# Altium PCB CATS-GS.PcbDoc (part 2 of 3)
Units mil, origin at the board's own origin, x right, y up, seen from the top; angles counter-clockwise.
Board outline 3543.31 x 3070.87 mil, 4 copper layers (Top Layer, Mid Layer 1, Mid Layer 2, Bottom Layer), stack 61.811 mil thick; 140 components, 103 nets, 565 pads, 394 vias.
Unrouted connection lines stored in the file: 23.
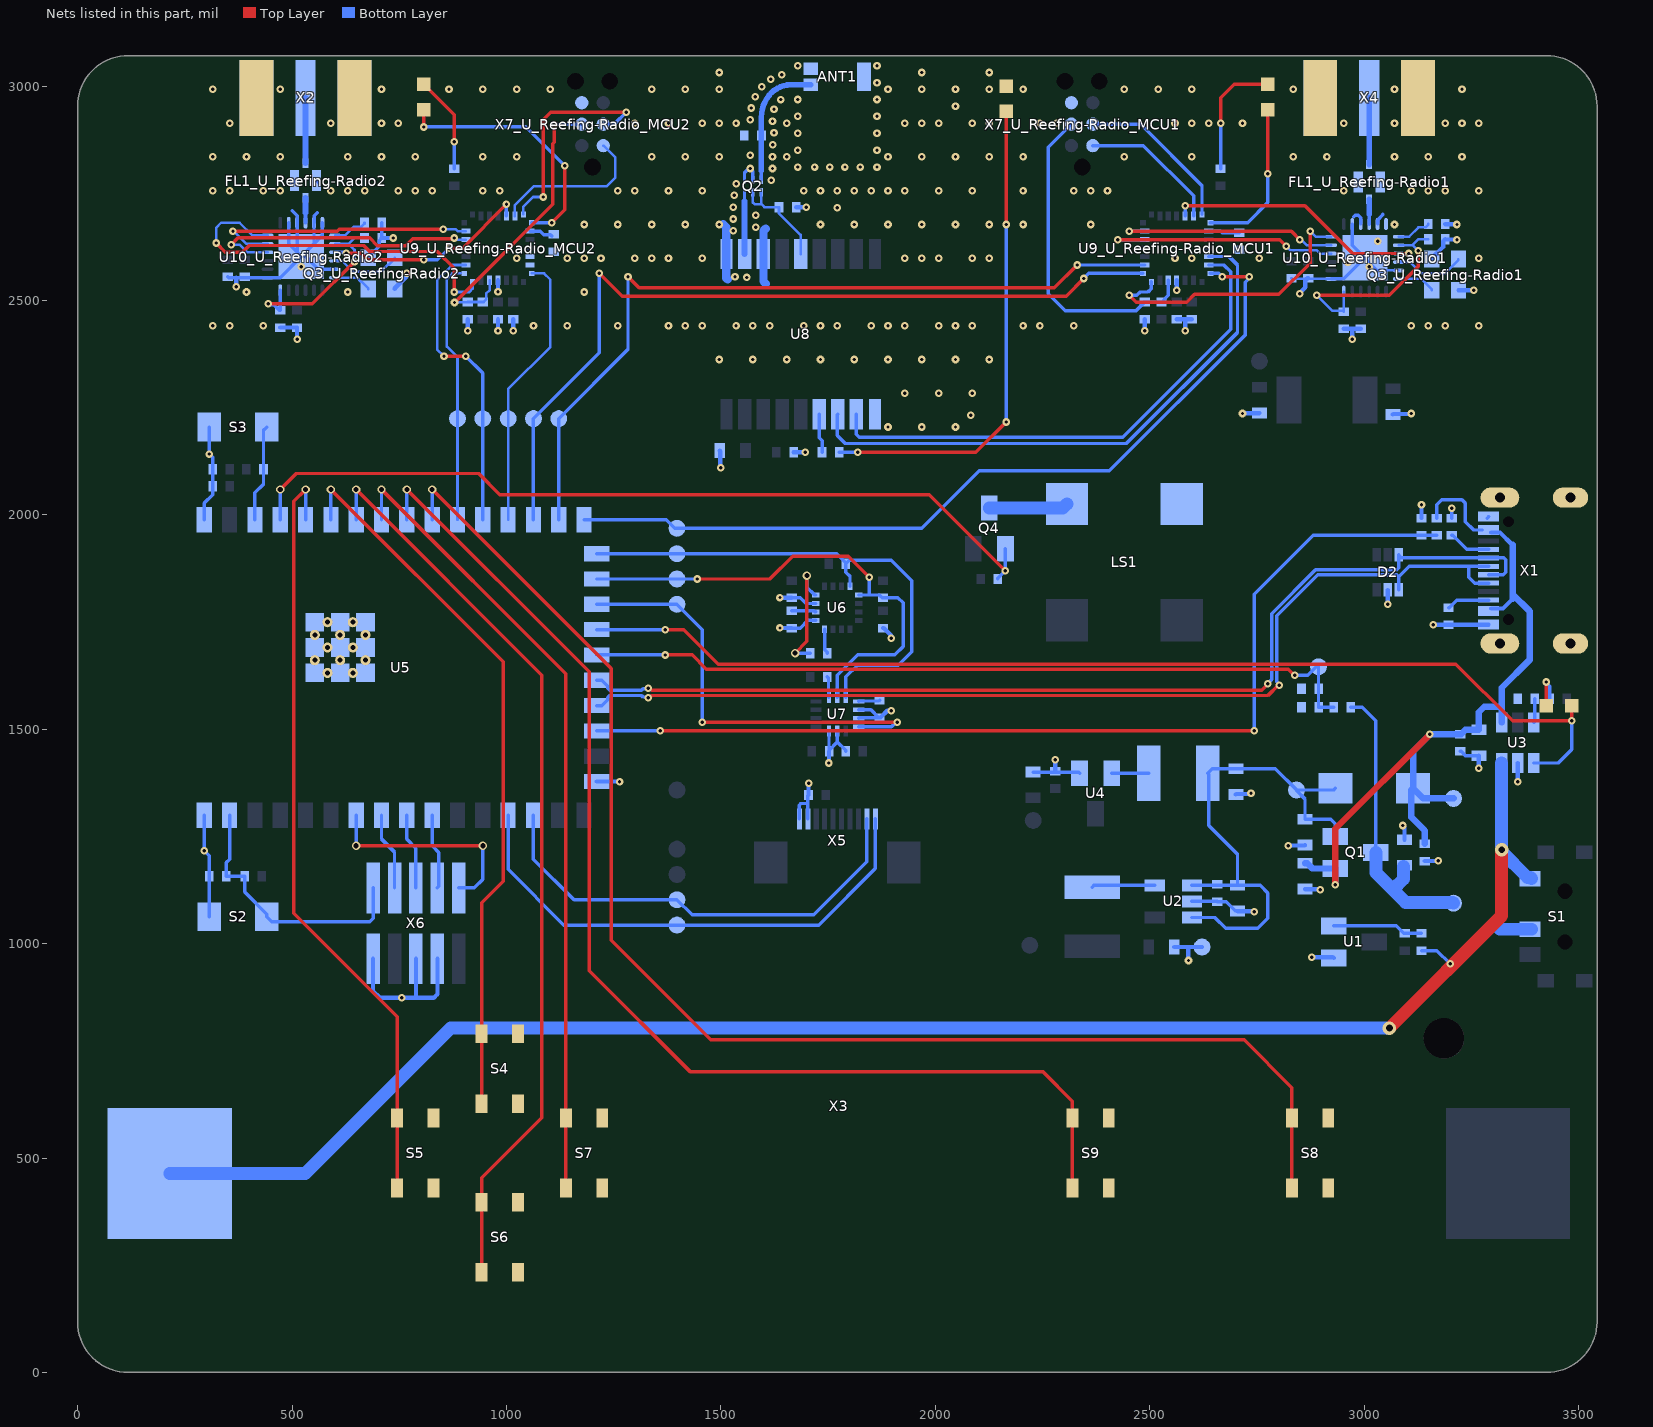
[diagram p4: the nets of this part, all layers, seen from the top]

## Via types
v1: diameter 17.72, hole 7.87, Top Layer to Bottom Layer, tented both sides, 377 vias
v2: diameter 19.68, hole 11.81, Top Layer to Bottom Layer, tented both sides, 15 vias
v3: diameter 31.5, hole 15.75, Top Layer to Bottom Layer, tented both sides, 2 vias

## Nets (pads, with @x,y where several pads share a name; then routed paths per layer and width w, separated by ;. In a path a pad name is that pad's centre, name@x,y a point inside that pad or via, vN(x,y) a via of type N, cw(c..) or ccw(c..) an arc to the next point about the centre after c; other vN are vias at no path point) (continued)
GND: ANT1.2 ANT1.3 C2.1 C3.1 C4.1 C5.1 C6.1 C7.1 C8.1 C9.1 C10.1 C11.1 C12.1 C13.1 C14.1 C15.1 C16.1 C17.1 C18.1 C19.1 C20.1 C22.1 C23.1 C24.1 C25.1 C26.1 C27.1 C28.1 C29_U_Reefing-Radio_MCU1.1 C29_U_Reefing-Radio_MCU2.1 C30_U_Reefing-Radio_MCU1.1 C30_U_Reefing-Radio_MCU2.1 C31_U_Reefing-Radio_MCU1.1 C31_U_Reefing-Radio_MCU2.1 C32_U_Reefing-Radio1.1 C32_U_Reefing-Radio2.1 C33_U_Reefing-Radio1.1 C33_U_Reefing-Radio2.1 C34_U_Reefing-Radio1.1 C34_U_Reefing-Radio2.1 C35_U_Reefing-Radio1.1 C35_U_Reefing-Radio2.1 C36_U_Reefing-Radio1.1 C36_U_Reefing-Radio2.1 C37_U_Reefing-Radio1.1 C37_U_Reefing-Radio2.1 C38.1 D2.2 FL1_U_Reefing-Radio1.2 FL1_U_Reefing-Radio1.4 FL1_U_Reefing-Radio2.2 FL1_U_Reefing-Radio2.4 LS1.2 P2.K Q2.1 Q2.2 Q3_U_Reefing-Radio1.3 Q3_U_Reefing-Radio2.3 R2.1 R3.1 R4.2 R7.1 R8.1 R10.1 R15.1 R20_U_Reefing-Radio_MCU1.1 R20_U_Reefing-Radio_MCU2.1 S2.2 S3.2 S4.2 S5.2 S6.2 S7.2 S8.2 S9.2 TP5.1 U1.1 U2.2 U3.2 U4.1 U5.1 U5.26 U5.42 U5.43 U6.9 U6.11 U7.2 U7.3 U7.6 U7.7 U8.1 U8.10 U8.12 U9_U_Reefing-Radio_MCU1.4 U9_U_Reefing-Radio_MCU2.4 U10_U_Reefing-Radio1.0 U10_U_Reefing-Radio1.5 U10_U_Reefing-Radio1.13 U10_U_Reefing-Radio1.20 U10_U_Reefing-Radio1.21 U10_U_Reefing-Radio1.23 U10_U_Reefing-Radio1.24 U10_U_Reefing-Radio2.0 U10_U_Reefing-Radio2.5 U10_U_Reefing-Radio2.13 U10_U_Reefing-Radio2.20 U10_U_Reefing-Radio2.21 U10_U_Reefing-Radio2.23 U10_U_Reefing-Radio2.24 X1.A1B12 X1.B1A12 X1.G1 X1.G2 X1.G3 X1.G4 X2.2 X4.2 X5.9 X5.10 X6.3 X6.5 X6.9 X7_U_Reefing-Radio_MCU1.5 X7_U_Reefing-Radio_MCU2.5 | length 4896.4
  Bottom Layer w6: C36_U_Reefing-Radio1.1@2830.71,2551.85 2832.24,2550.32 2866.55,2550.32 2923.1,2550.32 U10_U_Reefing-Radio1.13@2923.23,2550.2 ; U10_U_Reefing-Radio1.0@3001.97,2599.41 3031.5,2569.88 U10_U_Reefing-Radio1.5@3080.71,2569.88
  Bottom Layer w7.87: Q2.1@1555.12,2781.5 1555.12,2797.7 1567.98,2810.56 1568.52,2810.56 1568.52,2807.89 1574.8,2801.61 Q2.2@1574.8,2781.5
  Bottom Layer w8: U5.42@295.28,1299.21 v1(295.28,1216.54) 307.09,1204.72 S2.2@307.09,1062.99 ; U5.1@295.28,1988.19 295.28,2027.56 314.96,2047.24 314.96,2133.86 v1(307.09,2141.73) S3.2@307.09,2204.72 ; C36_U_Reefing-Radio2.1@350.39,2554.8 351.92,2553.28 370.08,2553.28 442.79,2553.28 U10_U_Reefing-Radio2.13@442.91,2553.15 472.44,2553.15 U10_U_Reefing-Radio2.0@521.65,2602.36 ; U10_U_Reefing-Radio2.20@492.13,2681.1 492.13,2631.89 U10_U_Reefing-Radio2.0@511.81,2612.2 ; FL1_U_Reefing-Radio2.4@498.08,2771.7 FL1_U_Reefing-Radio2.4@505.91,2779.53 ; 500,2708.66 511.68,2696.98 511.68,2681.23 U10_U_Reefing-Radio2.21@511.81,2681.1 U10_U_Reefing-Radio2.0@511.81,2612.2 ; FL1_U_Reefing-Radio2.2@557.09,2779.53 FL1_U_Reefing-Radio2.2@562.99,2773.62 ; 559.06,2704.72 551.31,2696.98 551.31,2681.23 U10_U_Reefing-Radio2.23@551.18,2681.1 U10_U_Reefing-Radio2.0@551.18,2631.89 ; U10_U_Reefing-Radio2.24@570.87,2681.1 570.87,2651.57 U10_U_Reefing-Radio2.0@551.18,2631.89 ; U10_U_Reefing-Radio2.5@600.39,2572.83 561.02,2572.83 531.5,2602.36 U10_U_Reefing-Radio2.0@521.65,2602.36 ; Q3_U_Reefing-Radio2.3@677.66,2599.41 677.66,2601.38 702.91,2626.63 702.91,2639.61 C33_U_Reefing-Radio2.1@708.98,2645.67 C35_U_Reefing-Radio2.1@708.98,2681.1 ; C22.1@1665.35,1735.91 1684.72,1735.91 1702.76,1753.94 U6.9@1721.46,1753.94 ; C19.1@1665.35,1806.77 1665.67,1807.09 1685.04,1807.09 1698.82,1793.31 U6.11@1721.46,1793.31 ; X5.10@1683.07,1290.85 1683.07,1323.26 1686.59,1326.77 1702.76,1326.77 ; X5.9@1702.76,1290.85 1702.76,1326.77 ; C25.1@1704.41,1346.46 1702.76,1344.8 1702.76,1326.77 ; U7.7@1751.97,1495.91 1752.13,1495.75 1752.13,1448.98 C24.1@1752.28,1448.82 1752.28,1450.82 1771.65,1470.19 ; U7.6@1771.65,1495.91 1771.65,1470.19 ; C23.1@1791.02,1448.82 1791.02,1450.82 1771.65,1470.19 ; U7.3@1821.36,1525.59 1822.19,1526.42 1869.25,1526.42 R15.1@1870.08,1527.24 1868.08,1527.24 1850.05,1545.28 U7.2@1821.36,1545.28 ; C15.1@2228.35,1400.08 2334.17,1400.08 U4.1@2336.61,1397.64 ; U2.2@2598.43,1098.43 2657.17,1098.43 C6.1@2657.48,1098.11 2678.48,1098.11 2690.22,1086.37 2690.22,1085.8 2699.72,1076.3 C7.1@2704.72,1076.3 ; U10_U_Reefing-Radio1.13@2923.23,2550.2 2952.76,2550.2 U10_U_Reefing-Radio1.0@3001.97,2599.41 2972.44,2628.94 U10_U_Reefing-Radio1.20@2972.44,2678.15 ; 2975.69,2695.45 2979.33,2699.08 2985.96,2699.08 2992,2693.04 2992,2678.28 U10_U_Reefing-Radio1.21@2992.13,2678.15 ; U10_U_Reefing-Radio1.23@3031.5,2678.15 3031.5,2687.6 3043.31,2699.41 3043.31,2700.79 ; R3.1@3204.72,1992.44 v1(3204.72,2015.75) ; C12.1@3224.41,1448.5 3226.41,1448.5 3236.41,1438.5 C11.1@3267.72,1438.5 ; X1.A1B12@3286.73,1992.44 X1.A1B12@3290.35,1996.06 ; U10_U_Reefing-Radio2.0@511.81,2612.2 U10_U_Reefing-Radio2.0@521.65,2602.36 ; U10_U_Reefing-Radio2.0@521.65,2602.36 U10_U_Reefing-Radio2.0@551.18,2631.89
  Bottom Layer w10: v1(370.08,2531.5) 370.08,2553.28 ; C34_U_Reefing-Radio2.1@472.44,2436.69 C32_U_Reefing-Radio2.1@511.81,2436.69 v1(511.81,2409.45) ; X6.9@688.98,964.57 688.98,889.76 704.72,874.02 v1(755.91,874.02) 787.4,874.02 ; C33_U_Reefing-Radio2.1@708.98,2645.67 v1(736.22,2645.67) ; Q3_U_Reefing-Radio2.3@739.67,2526.57 739.67,2528.54 766.24,2555.12 766.24,2561.52 v1(767.72,2562.99) ; X6.5@788.98,964.57 788.98,875.59 787.4,874.02 ; X6.3@838.98,964.57 838.98,882.28 830.71,874.02 787.4,874.02 ; v1(909.45,2429.13) C31_U_Reefing-Radio_MCU2.1@909.45,2456.38 ; v1(980.31,2429.13) C29_U_Reefing-Radio_MCU2.1@980.31,2456.38 ; v1(980.31,2520.24) U9_U_Reefing-Radio_MCU2.4@980.31,2547.24 ; v1(1015.75,2429.13) C30_U_Reefing-Radio_MCU2.1@1015.75,2456.38 ; U5.26@1210.63,1377.95 v1(1263.78,1377.95) ; C26.1@1497.56,2149.61 1498.78,2148.39 1498.78,2111.46 v1(1500,2110.24) ; v1(1637.8,1736.22) 1637.95,1736.06 1665.2,1736.06 C22.1@1665.35,1735.91 ; v1(1637.8,1807.09) 1637.95,1806.93 1665.2,1806.93 C19.1@1665.35,1806.77 ; C27.1@1669.61,2145.67 v1(1696.85,2145.67) ; C28.1@1675.51,2717.52 v1(1698.82,2717.52) ; C25.1@1704.41,1346.46 1704.41,1373.7 v1(1704.72,1374.02) ; v1(1751.97,1421.26) 1752.13,1421.42 1752.13,1448.66 C24.1@1752.28,1448.82 ; R15.1@1870.08,1527.24 1872.08,1527.24 1888.14,1543.31 v1(1897.64,1543.31) ; C20.1@1877.95,1735.91 1879.95,1735.91 1897.64,1718.22 v1(1897.64,1712.6) ; C14.1@2279.53,1401.89 v1(2279.53,1429.13) ; v1(2488.19,2429.13) C31_U_Reefing-Radio_MCU1.1@2488.19,2456.38 ; C8.1@2557.56,992.13 2589.8,992.13 ; C29_U_Reefing-Radio_MCU1.1@2562.99,2456.38 2580.71,2456.38 ; v1(2562.99,2523.62) U9_U_Reefing-Radio_MCU1.4@2562.99,2547.24 ; v1(2582.68,2429.13) 2582.68,2454.41 2580.71,2456.38 ; v1(2590.55,960.63) 2589.8,961.38 2589.8,992.13 ; C30_U_Reefing-Radio_MCU1.1@2598.43,2456.38 2580.71,2456.38 ; TP5.1@2622.05,992.13 2589.8,992.13 ; C13.1@2700.79,1347.95 2702.01,1349.17 2735,1349.17 v1(2736.22,1350.39) ; C7.1@2704.72,1076.3 2705.47,1075.55 2743.35,1075.55 v1(2744.09,1074.8) ; v1(2716.54,2236.22) 2717.28,2236.97 2755.16,2236.97 C10.1@2755.91,2237.72 ; v1(2822.83,1228.35) 2823.58,1229.09 2861.46,1229.09 C4.1@2862.2,1229.84 ; v1(2850.39,2515.75) 2850.39,2517.84 2863.08,2530.52 2863.08,2546.85 2866.55,2550.32 2868.08,2551.85 C37_U_Reefing-Radio1.1@2870.08,2551.85 ; C2.1@2862.2,1127.48 2862.95,1126.73 2896.89,1126.73 v1(2897.64,1125.98) ; v1(2877.95,968.5) 2927.17,968.5 U1.1@2929.13,966.54 ; C34_U_Reefing-Radio1.1@2952.76,2433.74 2972.44,2433.74 ; v1(2972.44,2409.45) 2972.44,2433.74 ; C32_U_Reefing-Radio1.1@2992.13,2433.74 2972.44,2433.74 ; v1(3055.12,1791.34) D2.2@3055.11,1824.8 ; C9.1@3066.93,2233.78 3068.15,2235 3109.02,2235 v1(3110.24,2236.22) ; v1(3090.55,1275.59) 3094.49,1271.65 C3.1@3094.49,1242.6 ; R4.2@3133.86,1992.44 v1(3133.86,2023.62) ; R8.1@3141.73,1192.6 3141.89,1192.76 3173.07,1192.76 v1(3173.23,1192.91) ; Q3_U_Reefing-Radio1.3@3157.97,2596.46 3157.97,2598.43 3184.29,2624.74 3184.29,2637.72 C33_U_Reefing-Radio1.1@3189.29,2642.72 3189.78,2642.22 3216.04,2642.22 v1(3216.54,2641.73) ; v1(3161.42,1744.09) 3161.57,1743.94 3196.69,1743.94 R2.1@3196.85,1743.78 3197.01,1743.94 3290.2,1743.94 X1.B1A12@3290.35,1744.09 ; C35_U_Reefing-Radio1.1@3189.29,2678.15 3189.78,2677.66 3216.04,2677.66 v1(3216.54,2677.17) ; Q3_U_Reefing-Radio1.3@3219.98,2523.62 v1(3255.91,2523.62) ; v1(3267.72,1409.45) C11.1@3267.72,1438.5 ; v1(3358.27,1377.95) U3.2@3358.27,1421.26
  Bottom Layer w19.68: 1505.91,2677.17 1512.8,2670.28 U8.10@1512.8,2608.27 1512.8,2552.17 1515.75,2549.21 ; 1604.33,2539.37 1599.41,2544.29 U8.12@1599.41,2608.27 1599.41,2662.4 1604.33,2667.32
  other v1: 1889.77,2204.73 1968.51,2204.73 2047.25,2204.73 2082.68,2232.28 1929.14,2283.47 2007.88,2283.47 2086.62,2283.47 1496.06,2362.21 1574.8,2362.21 1653.54,2362.21 1732.29,2362.21 1811.03,2362.21 1889.77,2362.21 1968.51,2362.21 2047.25,2362.21 2125.99,2362.21 314.96,2440.94 354.33,2440.95 433.07,2440.95 1062.99,2440.95 1141.73,2440.95 1259.84,2440.94 1377.95,2440.95 1417.32,2440.94 1456.69,2440.95 1535.43,2440.95 1574.8,2440.94 1614.17,2440.95 1692.92,2440.95 1732.28,2440.94 1771.66,2440.95 1850.4,2440.95 1889.76,2440.94 1929.14,2440.95 2007.88,2440.95 2047.24,2440.94 2086.62,2440.95 2204.72,2440.94 2244.1,2440.95 2322.84,2440.95 3110.24,2440.95 3149.61,2440.94 3188.98,2440.95 3267.72,2440.95 393.7,2519.69 629.92,2519.69 1181.1,2519.69 1560.65,2553.61 1532.98,2555.08 521.65,2578.74 3011.81,2578.74 2962.6,2588.58 1023.62,2598.42 1141.73,2598.43 1181.1,2598.42 1220.47,2598.43 1299.21,2598.43 1338.58,2598.42 1377.95,2598.43 1456.69,2598.43 1929.14,2598.43 1968.5,2598.42 2007.88,2598.43 2086.62,2598.43 2125.98,2598.42 2559.06,2598.43 2598.42,2598.42 2755.91,2598.42 3267.72,2598.43 3031.5,2637.8 1529.15,2662.1 1581.09,2670.56 1181.1,2677.17 1259.84,2677.17 1338.58,2677.17 1417.32,2677.17 1496.06,2677.17 1732.29,2677.17 1811.03,2677.17 1889.77,2677.17 1968.51,2677.17 2047.25,2677.17 2125.99,2677.17 2204.73,2677.17 2362.21,2677.17 3070.87,2677.17 1529.15,2689.82 1581.09,2698.28 1771.65,2716.54 1529.15,2717.54 1531.56,2745.15 314.96,2755.91 354.33,2755.91 433.07,2755.91 472.44,2755.91 590.55,2755.91 629.92,2755.91 669.29,2755.91 748.03,2755.91 787.4,2755.91 826.77,2755.91 944.88,2755.91 984.25,2755.91 1259.84,2755.91 1299.21,2755.91 1377.95,2755.91 1456.69,2755.91 1692.92,2755.91 1732.28,2755.91 1771.66,2755.91 1811.02,2755.91 1850.4,2755.91 1889.76,2755.91 1929.14,2755.91 2007.88,2755.91 2086.62,2755.91 2204.72,2755.91 2322.84,2755.91 2362.2,2755.91 2401.58,2755.91 2952.76,2755.91 3110.24,2755.91 3149.61,2755.91 3188.98,2755.91 3267.72,2755.91 1536.27,2772.46 1617.78,2780.15 1568.52,2807.74 1620.46,2807.74 1679.13,2811.02 1718.5,2811.02 1753.94,2811.02 1789.37,2811.02 1824.8,2811.02 1864.17,2811.02 314.96,2834.65 393.7,2834.65 472.44,2834.65 629.92,2834.65 708.66,2834.65 787.4,2834.65 944.88,2834.65 1023.62,2834.65 1338.58,2834.65 1417.32,2834.65 1496.06,2834.65 1653.54,2834.65 1889.77,2834.65 1968.51,2834.65 2047.25,2834.65 2125.99,2834.65 2204.73,2834.65 2440.95,2834.65 2598.43,2834.65 2834.65,2834.65 2913.39,2834.65 3070.87,2834.65 3149.61,2834.65 3228.35,2834.65 1620.46,2835.45 1568.52,2838.27 1679.13,2850.39 1864.17,2850.39 1621.02,2863.17 1679.13,2889.76 1864.17,2889.76 1624.03,2890.72 354.33,2913.39 590.55,2913.39 708.66,2913.39 748.03,2913.39 1299.21,2913.39 1377.95,2913.39 1456.69,2913.39 1496.06,2913.39 1535.43,2913.39 1653.54,2913.39 1929.14,2913.39 1968.5,2913.39 2007.88,2913.39 2086.62,2913.39 2125.98,2913.39 2244.1,2913.39 2283.46,2913.39 2559.06,2913.39 2598.42,2913.39 2637.8,2913.39 2716.54,2913.39 2952.76,2913.39 3070.87,2913.39 3188.98,2913.39 3228.35,2913.39 3267.72,2913.39 1620.46,2918.2 1568.52,2921.19 1679.13,2929.13 1864.17,2929.13 1623.99,2945.69 1570.63,2948.82 2047.24,2952.76 1639.85,2968.42 1679.13,2968.5 1864.17,2968.5 1579.9,2974.94 314.96,2992.13 472.44,2992.13 708.66,2992.13 866.14,2992.13 944.88,2992.13 1023.62,2992.13 1102.36,2992.13 1338.58,2992.13 1417.32,2992.13 1496.06,2992.13 1889.77,2992.13 1968.51,2992.13 2047.25,2992.13 2125.99,2992.13 2204.73,2992.13 2440.95,2992.13 2519.69,2992.13 2598.43,2992.13 2834.65,2992.13 3070.87,2992.13 3228.35,2992.13 1595.4,2997.92 1864.17,3007.87 1616.55,3015.84 1642.16,3026.43 1496.06,3031.5 1968.5,3031.5 2125.98,3031.5 1679.13,3047.24 1864.17,3047.24
JTAG_NRST: C18.2 R19.1 S2.1 U5.41 X6.10 | length 630.4
  Bottom Layer w8: U5.41@354.33,1299.21 354.33,1196.85 346.77,1189.29 C18.2@346.77,1157.48 R19.1@389.45,1157.48 389.45,1120.39 440.94,1068.89 S2.1@440.94,1062.99 452.75,1051.18 681.1,1051.18 688.98,1059.06 X6.10@688.98,1129.92
JTAG_TCLK: U5.33 X6.4 | length 177.3
  Bottom Layer w8: U5.33@826.77,1299.21 826.77,1228.35 842.52,1212.6 842.52,1133.46 X6.4@838.98,1129.92
JTAG_TDI: U5.35 X6.8 | length 181.8
  Bottom Layer w8: U5.35@708.66,1299.21 708.66,1244.09 738.98,1213.78 X6.8@738.98,1129.92
JTAG_TDO: U5.34 X6.6 | length 178.1
  Bottom Layer w8: U5.34@767.72,1299.21 767.72,1244.09 788.98,1222.83 X6.6@788.98,1129.92
JTAG_TMS: U5.36 X6.2 | length 508.9
  Top Layer w8: v2(649.61,1228.35) v2(944.88,1228.35)
  Bottom Layer w8: v2(649.61,1228.35) U5.36@649.61,1299.21 ; X6.2@888.98,1129.92 925.2,1129.92 944.88,1149.61 v2(944.88,1228.35)
LED_U_Reefing-Radio_MCU1: P3_U_Reefing-Radio_MCU1.K U9_U_Reefing-Radio_MCU1.22 | length 370
  Top Layer w8: v1(2775.59,2795.28) P3_U_Reefing-Radio_MCU1.K@2775.59,2944.88
  Bottom Layer w8: U9_U_Reefing-Radio_MCU1.22@2641.73,2681.1 2728.35,2681.1 2775.59,2728.35 v1(2775.59,2795.28)
LED_U_Reefing-Radio_MCU2: P3_U_Reefing-Radio_MCU2.K U9_U_Reefing-Radio_MCU2.22 | length 598.4
  Top Layer w8: v1(807.09,2904.53) P3_U_Reefing-Radio_MCU2.K@807.09,2944.88 ; v1(1105.31,2681.1) 1135.83,2711.61 v1(1135.83,2813.98)
  Bottom Layer w8: v1(807.09,2904.53) 1045.28,2904.53 v1(1135.83,2813.98) ; U9_U_Reefing-Radio_MCU2.22@1059.06,2681.1 v1(1105.31,2681.1)
MISO1_U_Reefing-Radio_MCU1: U9_U_Reefing-Radio_MCU1.12 U10_U_Reefing-Radio1.16 | length 574.5
  Top Layer w8: v1(2425.2,2641.73) 2803.15,2641.73 v1(2818.9,2625.98)
  Bottom Layer w6: v1(2818.9,2625.98) 2827.94,2616.94 2889.76,2616.94 2897.45,2609.25 U10_U_Reefing-Radio1.16@2923.23,2609.25
  Bottom Layer w8: v1(2425.2,2641.73) U9_U_Reefing-Radio_MCU1.12@2488.19,2641.73
MISO1_U_Reefing-Radio_MCU2: U9_U_Reefing-Radio_MCU2.12 U10_U_Reefing-Radio2.16 | length 662.2
  Top Layer w8: v1(358.27,2629.92) 374.02,2645.67 681.1,2645.67 698.96,2627.81 765.61,2627.81 781.64,2643.84 876.13,2643.84 v1(877.95,2645.67)
  Bottom Layer w6: v1(358.27,2629.92) 377.95,2629.92 395.67,2612.2 U10_U_Reefing-Radio2.16@442.91,2612.2 ; v1(877.95,2645.67) 881.12,2645.67 885.06,2641.73 U9_U_Reefing-Radio_MCU2.12@905.51,2641.73
MOSI: TP21.1 U5.29 X5.2 | length 1085
  Bottom Layer w8: U5.29@1062.99,1299.21 1062.99,1196.85 1157.48,1102.36 TP21.1@1397.64,1102.36 1433.07,1066.93 1716.54,1066.93 1840.55,1190.95 X5.2@1840.55,1290.85
MOSI1_U_Reefing-Radio_MCU1: U9_U_Reefing-Radio_MCU1.13 U10_U_Reefing-Radio1.17 | length 519.4
  Top Layer w8: v1(2452.76,2661.42) 2830.71,2661.42 v1(2850.39,2641.73)
  Bottom Layer w6: v1(2850.39,2641.73) 2853.02,2641.73 2865.82,2628.94 U10_U_Reefing-Radio1.17@2923.23,2628.94
  Bottom Layer w8: v1(2452.76,2661.42) U9_U_Reefing-Radio_MCU1.13@2488.19,2661.42
MOSI1_U_Reefing-Radio_MCU2: U9_U_Reefing-Radio_MCU2.13 U10_U_Reefing-Radio2.17 | length 640.3
  Top Layer w8: v1(362.2,2661.42) 605.07,2661.42 609.94,2666.28 v1(852.81,2666.28)
  Bottom Layer w6: v1(362.2,2661.42) 363.97,2661.42 392.99,2632.4 442.4,2632.4 U10_U_Reefing-Radio2.17@442.91,2631.89 ; v1(852.81,2666.28) 881.18,2666.28 886.05,2661.42 U9_U_Reefing-Radio_MCU2.13@905.51,2661.42
NetANT1_1: ANT1.1 C38.2 Q2.3 | length 305.6
  Bottom Layer w8: Q2.3@1594.49,2781.5 1594.49,2802.17
  Bottom Layer w13.23: 1594.49,2802.17 1594.49,2927.22 cw(c1675.14,2927.22) 1618.11,2984.25 cw(c1663.26,2939.1) 1663.26,3002.95 ANT1.1@1709.65,3002.95
NetC1_2: C1.2 R6.1 U1.2 | length 211.9
  Bottom Layer w8: U1.2@2929.13,1041.34 3075.09,1041.34 3092.49,1023.94 C1.2@3094.49,1023.94 R6.1@3133.86,1023.94
NetC5_2: C5.2 R5.1 R7.2 TP3.1 U5.21 | length 1840.2
  Top Layer w8: v1(1370.08,1673.23) 1433.07,1673.23 1466.39,1639.91 2823.01,1639.91 2836.93,1625.98 v1(2838.58,1625.98)
  Bottom Layer w8: U5.21@1210.63,1673.23 v1(1370.08,1673.23) ; v1(2838.58,1625.98) 2868.34,1625.98 2888.02,1645.67 TP3.1@2893.7,1645.67 2893.7,1594.49 2893.7,1551.5 C5.2@2894.02,1551.18 R5.1@2928.82,1551.18
NetC21_1: C21.1 U6.12 | length 283.2
  Top Layer w8: v2(1673.23,1677.45) 1673.51,1677.45 1700.79,1704.72 v2(1700.79,1858.27)
  Bottom Layer w8: v2(1673.23,1677.45) 1708.06,1677.45 C21.1@1708.35,1677.17 ; v2(1700.79,1858.27) 1700.79,1830.71 1718.5,1812.99 U6.12@1721.46,1812.99
NetC21_2: C21.2 U6.8 | length 58.7
  Bottom Layer w8: U6.8@1742.13,1733.27 1742.13,1685.39 1748.35,1679.17 C21.2@1748.35,1677.17
NetC22_2: C22.2 U6.10 | length 57
  Bottom Layer w8: C22.2@1665.35,1775.91 1716.22,1775.91 1718.5,1773.62 U6.10@1721.46,1773.62
NetC28_2: C28.2 Q2.4 Q2.5 U8.14 | length 246.5
  Bottom Layer w6: Q2.5@1574.8,2751.97 1574.8,2728.35 1578.74,2724.41 1594.49,2724.41 ; Q2.4@1594.49,2751.97 1594.49,2724.41 ; U8.14@1686.02,2608.27 1686.02,2652.56 1635.51,2703.07 C28.2@1635.51,2717.52 1601.38,2717.52 1594.49,2724.41
NetC31_U_Reefing-Radio_MCU1_2: C31_U_Reefing-Radio_MCU1.2 R18_U_Reefing-Radio_MCU1.1 U9_U_Reefing-Radio_MCU1.5 X7_U_Reefing-Radio_MCU1.3 | length 764.5
  Bottom Layer w8: X7_U_Reefing-Radio_MCU1.3@2317.52,2911.02 2263.78,2857.28 2263.78,2515.75 2303.15,2476.38 2468.19,2476.38 C31_U_Reefing-Radio_MCU1.2@2488.19,2496.38 R18_U_Reefing-Radio_MCU1.1@2527.56,2496.38 2529.56,2496.38 2535.56,2502.38 2535.56,2504.38 2543.31,2512.13 U9_U_Reefing-Radio_MCU1.5@2543.31,2547.24
NetC31_U_Reefing-Radio_MCU2_2: C31_U_Reefing-Radio_MCU2.2 R18_U_Reefing-Radio_MCU2.1 U9_U_Reefing-Radio_MCU2.5 X7_U_Reefing-Radio_MCU2.3 | length 700.8
  Top Layer w8: v1(878.94,2495.08) 1108.13,2724.27 1108.13,2865.66 1111.22,2868.76 v1(1111.22,2909.45)
  Bottom Layer w6: v1(878.94,2495.08) 879.59,2495.73 908.8,2495.73 C31_U_Reefing-Radio_MCU2.2@909.45,2496.38 R18_U_Reefing-Radio_MCU2.1@944.88,2496.38 946.76,2496.38 952.76,2502.38 952.76,2515.75 960.63,2523.62 U9_U_Reefing-Radio_MCU2.5@960.63,2547.24
  Bottom Layer w8: v1(1111.22,2909.45) 1112.01,2910.24 1175,2910.24 X7_U_Reefing-Radio_MCU2.3@1175.79,2911.02
NetC33_U_Reefing-Radio1_2: C33_U_Reefing-Radio1.2 C34_U_Reefing-Radio1.2 U10_U_Reefing-Radio1.2 U10_U_Reefing-Radio1.12 | length 519.8
  Top Layer w8: v1(2889.76,2511.81) 3059.06,2511.81 3126.4,2579.15 v1(3126.4,2615.73)
  Bottom Layer w6: v1(2889.76,2511.81) 2926.13,2475.45 2951.05,2475.45 C34_U_Reefing-Radio1.2@2952.76,2473.74 U10_U_Reefing-Radio1.12@2952.76,2520.67 ; U10_U_Reefing-Radio1.2@3080.71,2628.94 3113.19,2628.94 ; v1(3126.4,2615.73) 3113.19,2628.94 ; C33_U_Reefing-Radio1.2@3149.29,2642.72 3126.97,2642.72 3113.19,2628.94
NetC33_U_Reefing-Radio2_2: C33_U_Reefing-Radio2.2 C34_U_Reefing-Radio2.2 U10_U_Reefing-Radio2.2 U10_U_Reefing-Radio2.12 | length 443.8
  Top Layer w8: v1(444.88,2492.13) 547.24,2492.13 v1(645.67,2590.55)
  Bottom Layer w6: U10_U_Reefing-Radio2.2@600.39,2631.89 631.89,2631.89 ; v1(645.67,2590.55) 645.67,2618.11 631.89,2631.89 ; C33_U_Reefing-Radio2.2@668.98,2645.67 645.67,2645.67 631.89,2631.89
  Bottom Layer w8: v1(444.88,2492.13) 446.74,2490.27 456.87,2490.27 470.44,2476.69 C34_U_Reefing-Radio2.2@472.44,2476.69 U10_U_Reefing-Radio2.12@472.44,2523.62
NetC35_U_Reefing-Radio1_2: C35_U_Reefing-Radio1.2 U10_U_Reefing-Radio1.1 | length 82
  Bottom Layer w6: U10_U_Reefing-Radio1.1@3080.71,2648.62 3105.31,2648.62 3126.84,2670.15 3143.29,2670.15 3149.29,2676.15 C35_U_Reefing-Radio1.2@3149.29,2678.15
NetC35_U_Reefing-Radio2_2: C35_U_Reefing-Radio2.2 U10_U_Reefing-Radio2.1 | length 82
  Bottom Layer w6: U10_U_Reefing-Radio2.1@600.39,2651.57 624.02,2651.57 644.54,2672.1 661.98,2672.1 668.98,2679.1 C35_U_Reefing-Radio2.2@668.98,2681.1
NetFL1_U_Reefing-Radio1_1: FL1_U_Reefing-Radio1.1 U10_U_Reefing-Radio1.22 | length 58.1
  Bottom Layer w8.8: U10_U_Reefing-Radio1.22@3011.81,2678.15 3011.81,2700.79
  Bottom Layer w13.23: 3011.81,2700.79 FL1_U_Reefing-Radio1.1@3011.81,2736.22
NetFL1_U_Reefing-Radio1_3: FL1_U_Reefing-Radio1.3 X4.1 | length 155.5
  Bottom Layer w13.23: FL1_U_Reefing-Radio1.3@3011.81,2816.93 X4.1@3011.81,2972.44
NetFL1_U_Reefing-Radio2_1: FL1_U_Reefing-Radio2.1 U10_U_Reefing-Radio2.22 | length 58.1
  Bottom Layer w9: U10_U_Reefing-Radio2.22@531.5,2681.1 531.5,2704.72
  Bottom Layer w13.23: 531.5,2704.72 FL1_U_Reefing-Radio2.1@531.5,2739.17
NetFL1_U_Reefing-Radio2_3: FL1_U_Reefing-Radio2.3 X2.1 | length 152.6
  Bottom Layer w13.23: FL1_U_Reefing-Radio2.3@531.5,2819.88 X2.1@531.5,2972.44
NetL1_1: L1.1 U2.5 | length 147.3
  Bottom Layer w8: L1.1@2366.14,1131.89 2370.08,1135.83 U2.5@2511.81,1135.83
NetL3_2: L3.2 U4.2 | length 86.6
  Bottom Layer w8: U4.2@2411.42,1397.64 L3.2@2498.03,1397.64
NetLS1_1: LS1.1 Q4.D | length 185.2
  Bottom Layer w30: Q4.D@2125.98,2015.75 2297.24,2015.75 LS1.1@2307.09,2025.59
NetP1_A: P1.A R9.1 | length 97.6
  Top Layer w8: P1.A@3425.2,1555.12 v1(3425.2,1610.24)
  Bottom Layer w8: v1(3425.2,1610.24) 3425.2,1607.61 3432.76,1600.05 R9.1@3432.76,1570.87
NetP1_K: P1.K U3.1 U5.20 | length 2565.7
  Top Layer w8: v1(1370.08,1732.28) 1413.39,1732.28 1493.76,1651.91 3214.24,1651.91 3346.46,1519.69 v1(3484.25,1519.69) P1.K@3484.25,1555.12
  Bottom Layer w8: U5.20@1210.63,1732.28 v1(1370.08,1732.28) ; U3.1@3395.67,1421.26 3452.76,1421.26 3484.25,1452.76 v1(3484.25,1519.69)
NetP2_A: P2.A R16.1 | length 1143.2
  Top Layer w8: v1(1818.9,2145.67) 2094.49,2145.67 v1(2165.35,2216.54) ; v1(2165.35,2677.17) P2.A@2165.35,2940.95
  Bottom Layer w8: R16.1@1775.91,2145.67 v1(1818.9,2145.67) ; v1(2165.35,2216.54) v1(2165.35,2677.17)
NetP3_U_Reefing-Radio_MCU1_A: P3_U_Reefing-Radio_MCU1.A R17_U_Reefing-Radio_MCU1.1 | length 288.3